# Altium PCB Smart_OBD.PcbDoc
Units mm, origin at the board's own origin, x right, y up, seen from the top; angles counter-clockwise.
Board outline 55.95 x 64.95 mm, 2 copper layers (Top Layer, Bottom Layer); 49 components, 65 nets, 214 pads, 72 vias.
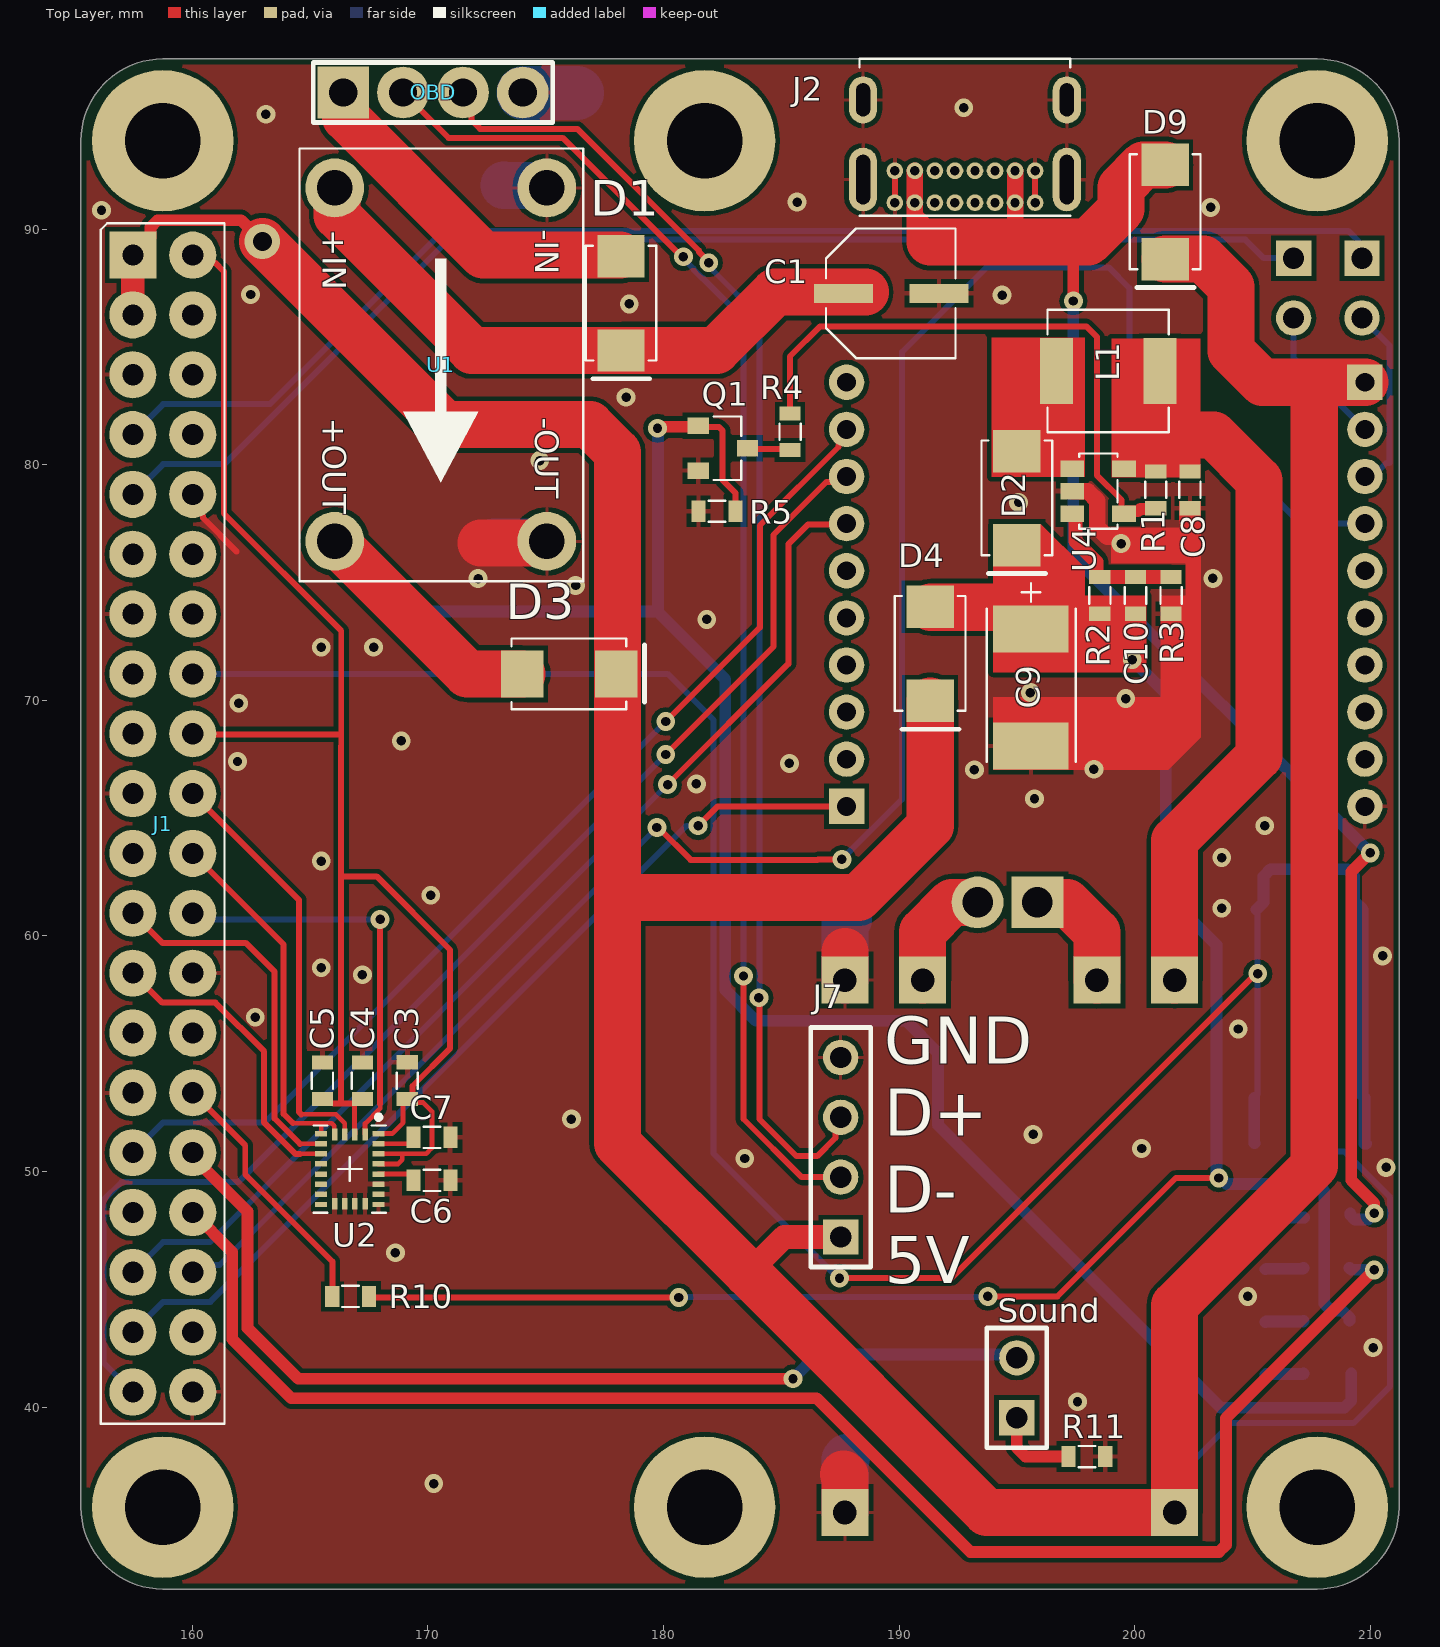
[diagram p0: Top Layer view]
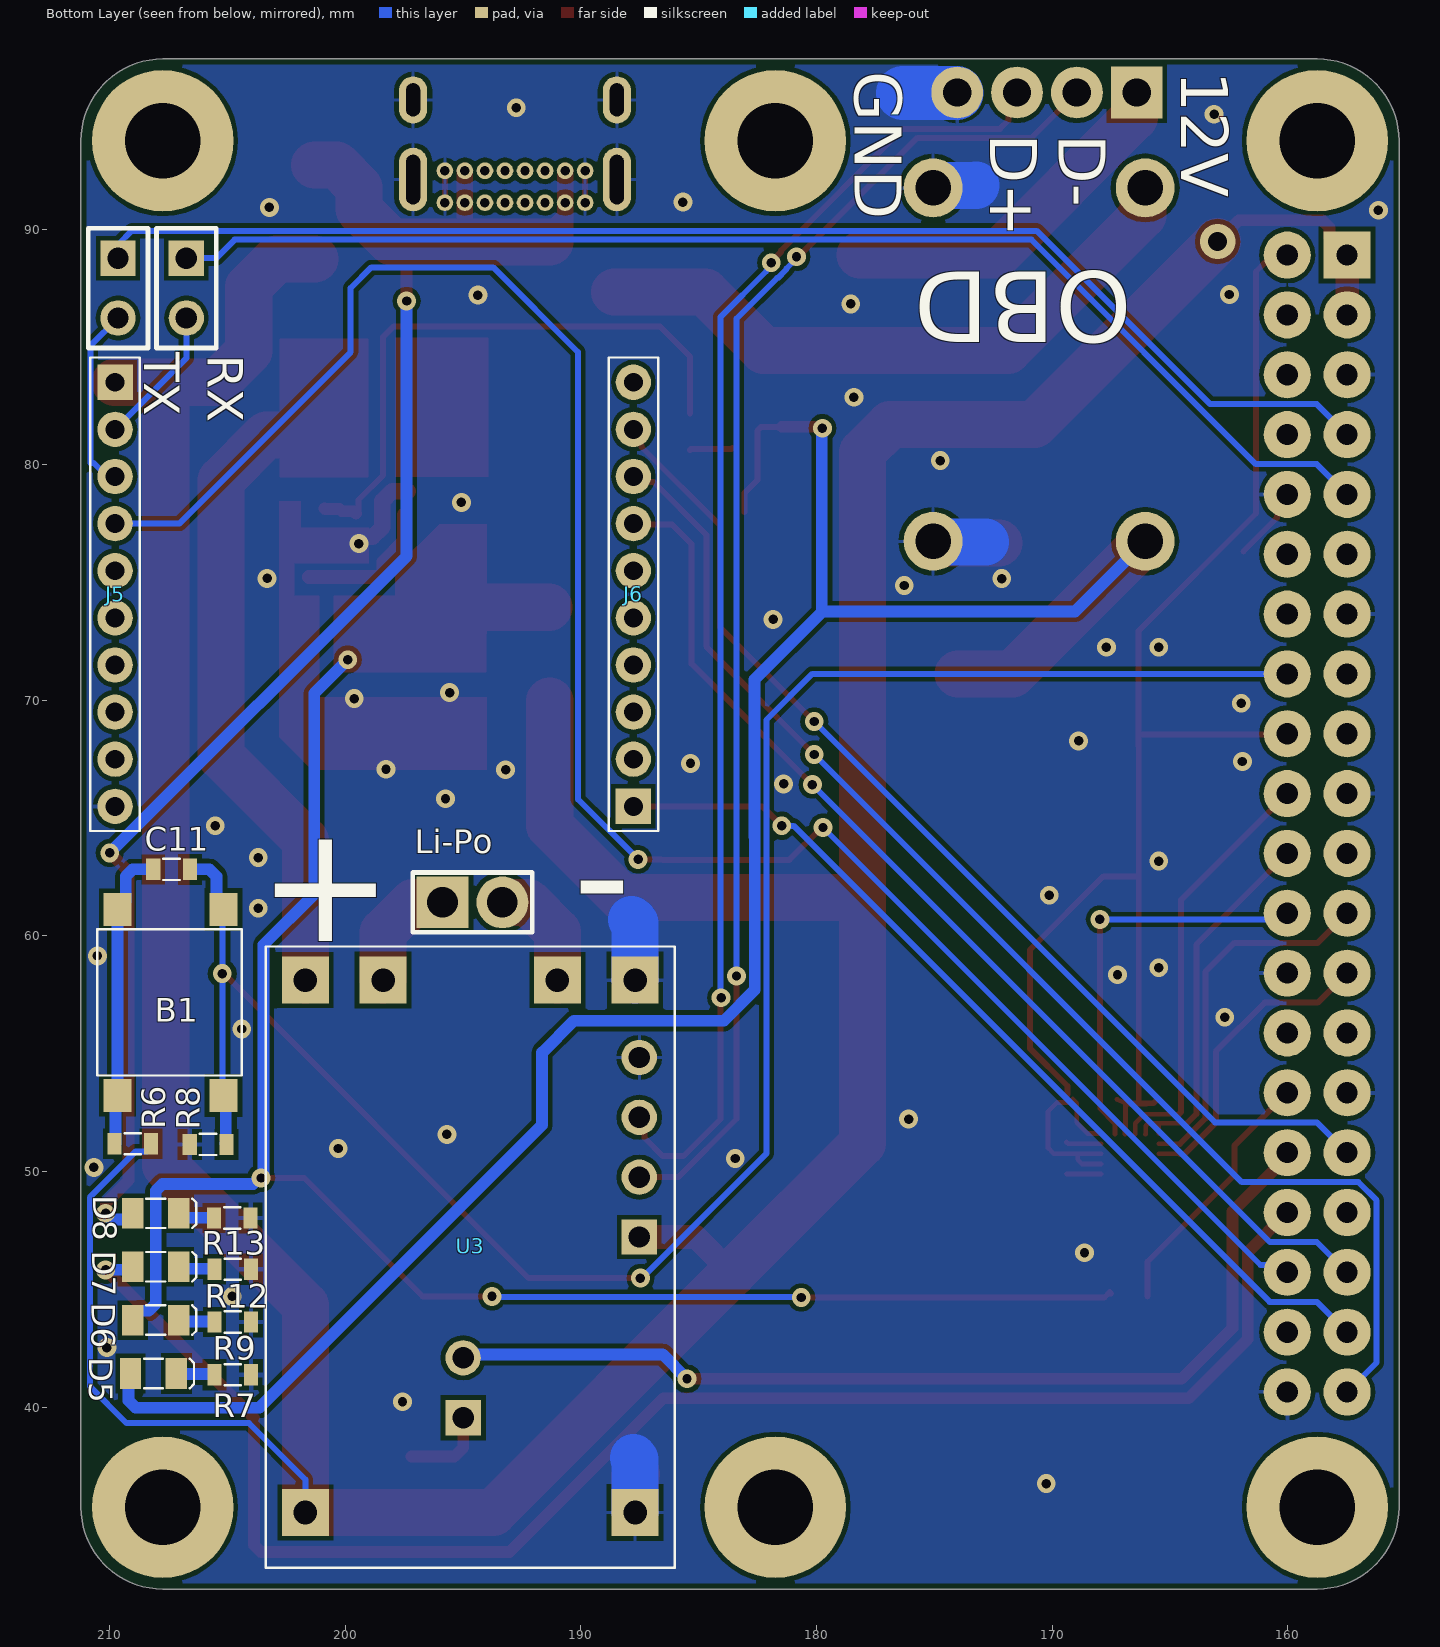
[diagram p1: Bottom Layer view, seen from below]
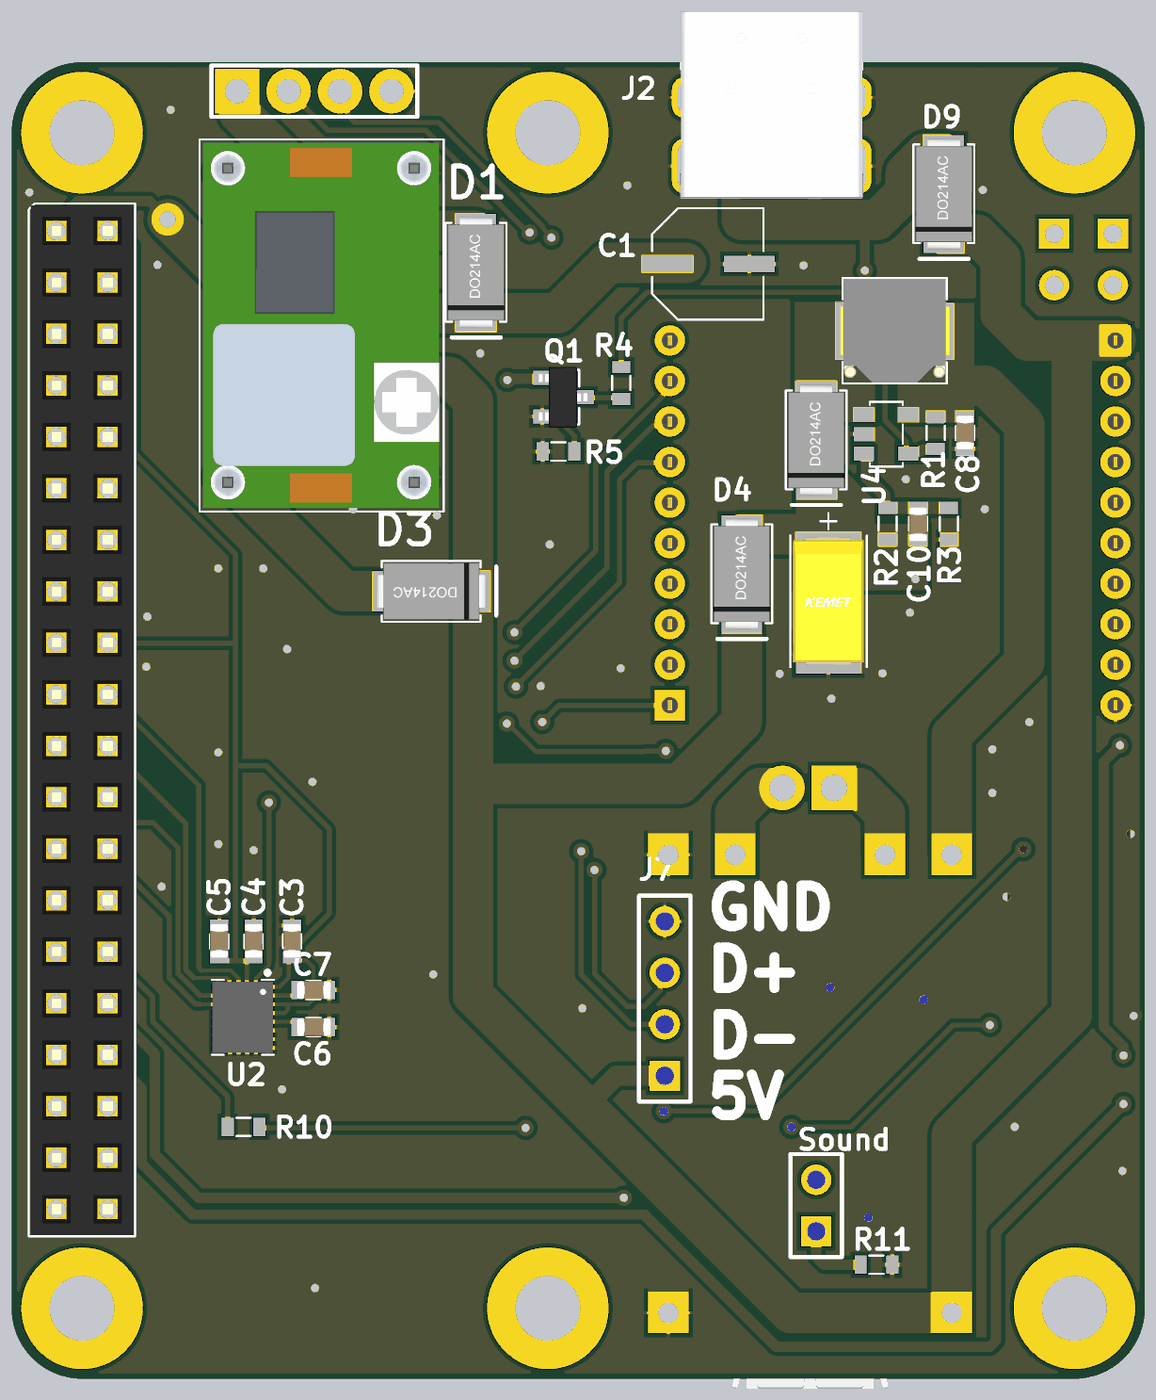
[diagram p2: 3D render of the assembled board from above, using the file's embedded part models]
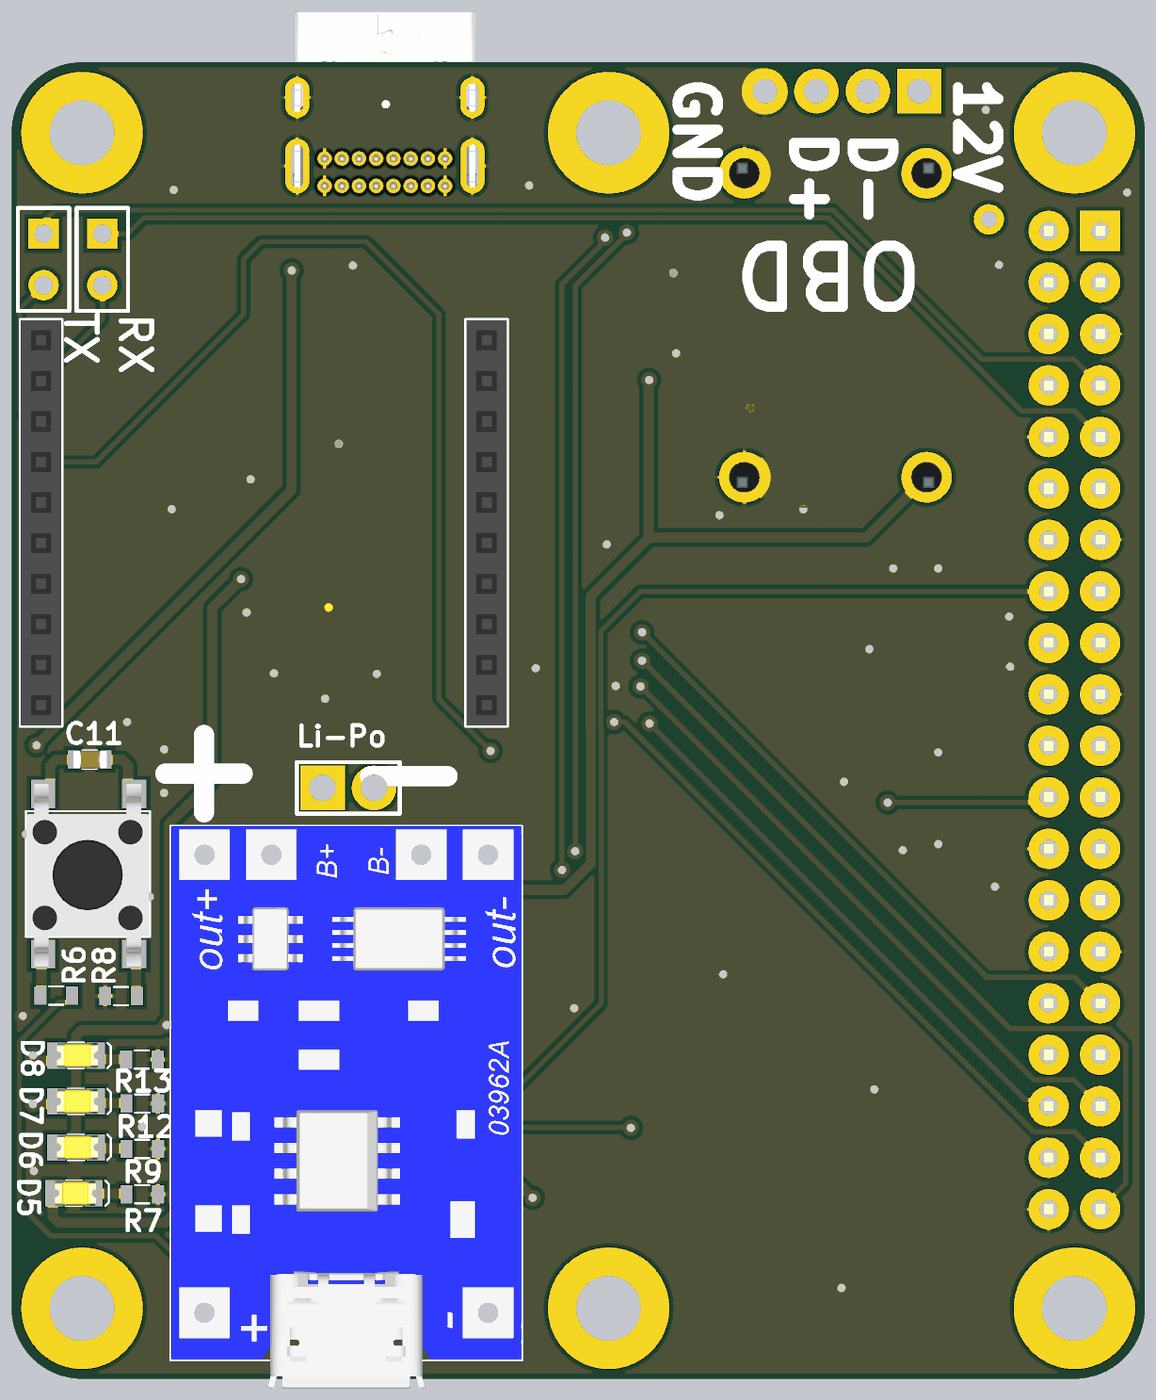
[diagram p3: 3D render of the assembled board from below, using the file's embedded part models]

## Layer stack, top to bottom
Top Solder: solder mask 0.0102, Solder Resist, Dk 3.5
Top Layer: signal copper 0.0356
Dielectric 1: dielectric 0.32, FR-4, Dk 4.8
Bottom Layer: signal copper 0.0356
Bottom Solder: solder mask 0.0102, Solder Resist, Dk 3.5

## Board outline
155.275,35.75 ccw(c158.75,35.75) 158.75,32.275 207.75,32.275 ccw(c207.75,35.75) 211.225,35.75 211.225,93.75 ccw(c207.75,93.75) 207.75,97.225 158.75,97.225 ccw(c158.75,93.75) 155.275,93.75

## Design rules (kind name [scope] priority, off if disabled: settings)
AcuteAngle [All] p1: minimum=3.50000000000000E+0001 checktracksonly=FALSE
BoardOutlineClearance "BoardOutlineClearance 1" [All] p1: gap=0.25 ignorepadtopadclearanceinfootprint=FALSE except(0: Arc-SplitContinuation Track-SplitContinuation SMDPad-SplitContinuation THPad-SplitContinuation Via-SplitContinuation Fill-SplitContinuation Poly-SplitContinuation Region-SplitContinuation Text-SplitContinuation) // Milling
Clearance "Clearance-1 1/2 Oz" [All] p1: gap=0.125 ignorepadtopadclearanceinfootprint=FALSE except(0.2: Arc-Fill Arc-Poly Track-Fill Track-Poly SMDPad-SMDPad SMDPad-Fill SMDPad-Poly THPad-Fill THPad-Poly Via-Fill Via-Poly Fill-Fill Fill-Poly Poly-Poly Poly-Region Poly-Text; 0.25: Arc-Hole Track-Hole SMDPad-Hole THPad-Hole Via-Hole Fill-Hole Poly-Hole Region-Hole Text-Hole) // Standart
ComponentClearance ComponentClearance_DC [InComponent('U1') vs IsComponentBody] p1: gap=-50 collisioncheckmode=3 verticalgap=2540 showdistances=FALSE
ComponentClearance ComponentClearance_3D [IsComponentBody vs IsComponentBody] p2: gap=-50 collisioncheckmode=3 verticalgap=2540 showdistances=FALSE
ComponentClearance ComponentClearance_J4 [InComponent('J4')] p3: gap=-50 collisioncheckmode=3 verticalgap=2540 showdistances=FALSE
ComponentClearance ComponentClearance_J3 [InComponent('J3')] p4: gap=-50 collisioncheckmode=3 verticalgap=2540 showdistances=FALSE
ComponentClearance ComponentClearance_J2 [InComponent('J2')] p5: gap=-50 collisioncheckmode=3 verticalgap=2540 showdistances=FALSE
ComponentClearance ComponentClearance_J1 [InComponent('J1')] p6: gap=-50 collisioncheckmode=3 verticalgap=2540 showdistances=FALSE
ComponentClearance ComponentClearance_J6 [InComponent('J6') vs IsComponentBody] p7: gap=-100 collisioncheckmode=3 verticalgap=2540 showdistances=FALSE
ComponentClearance ComponentClearance_J5 [InComponent('J5') vs IsComponentBody] p8: gap=-50 collisioncheckmode=3 verticalgap=2540 showdistances=FALSE
ComponentClearance [All] p9: gap=0.1 collisioncheckmode=3 verticalgap=0.1 showdistances=FALSE
DiffPairsRouting "DiffPairsRouting 1/2 Oz" [All] p1: maxlimit=0.254 minlimit=0.125 mostfreqgap=0.254 toplayer_minwidth=0.125 toplayer_maxwidth=0.381 toplayer_prefwidth=0.381 bottomlayer_minwidth=0.125 bottomlayer_maxwidth=0.381 bottomlayer_prefwidth=0.381 maxuncoupledlength=12.7
HoleSize "Minimum HoleSize" [IsPad] p1: absolutevalues=TRUE maxlimit=5.9 minlimit=0.4 maxpercent=80.000 minpercent=20.000
HoleSize "Minimum HoleSize VIA 1" [IsVia] p2: absolutevalues=TRUE maxlimit=5.9 minlimit=0.3 maxpercent=80.000 minpercent=20.000 // Standart
HoleToHoleClearance Hole2HoleClearance [All] p1: gap=0.25 allowstackedmicrovias=FALSE
MinimumAnnularRing "Minimum AR VIA Standart" [All] p1: minimumring=0.15
MinimumAnnularRing "Minimum AR PAD Standart" [All] p2: minimumring=0.2
MinimumSolderMaskSliver "SolderMask Bridge Standart" [All] p1: minsoldermaskwidth=0.15 // All Masks
PlaneClearance "PlaneClearance-1 1/2 Oz" [All] p1: clearance=0.2 // Standart
PlaneConnect "TermalConnect-1 1/2 Oz" [All] p1: planeconnectstyle=Relief reliefexpansion=0.2 reliefentries=4 reliefconductorwidth=0.2 reliefairgap=0.2 // Standart
PolygonConnect "PolygonConnect-1 1/2 Oz" [All] p1: thpad.connectstyle=Relief thpad.reliefconductorwidth=0.15 thpad.reliefentries=4 thpad.polygonreliefangle="90 Angle" thpad.airgapwidth=0.2 smdpad.connectstyle=Relief smdpad.reliefconductorwidth=0.2 smdpad.reliefentries=4 smdpad.polygonreliefangle="90 Angle" smdpad.airgapwidth=0.2 via.connectstyle=Direct via.reliefconductorwidth=0.254 via.reliefentries=4 via.polygonreliefangle="90 Angle" via.airgapwidth=0.254 // Standart
RoutingCorners [All] p1 off: cornerstyle=45-Degree minsetback=2.54 maxsetback=2.54
RoutingVias [All] p1: holewidth=0.4 width=0.8 viastyle="Through Hole" minholewidth=0.3 minwidth=0.6 maxholewidth=5.9 maxwidth=8.9
SilkToSilkClearance Silk2SilkClearance [All] p1 off: silktosilkclearance=0.15
SilkToSolderMaskClearance Silk2SolderMaskClearance [IsPad] p1 off: minsilkscreentomaskgap=0.15 clearancetoexposedcopper=TRUE
SolderMaskExpansion SolderMaskExpansion-1 [All] p1: expansion=0.05 istentingtop=FALSE // Standart
UnRoutedNet [All] p1: checkbadconnections=TRUE
Width "Width 1/2 Oz" [All] p1: maxlimit=10 minlimit=0.125 preferedwidth=0.254 checkconnectedcopper=TRUE
19 further rules are at their usual default settings.

## Components (designator, comment, footprint, x,y, rotation, side; value= is the part's Value field where it differs from the comment)
B1 "But" "Button 6x6" 209.675,53.225 r90 bottom
C1 "10uF" "Bar Cap 5x5.4" 191.7,87.275 r270 top
C3 "10uF" "0603 Capicator" 169.125,53.855 r90 top
C4 "0.1uF" "0603 Capicator" 167.225,53.85 r90 top
C5 "0.1uF" "0603 Capicator" 165.525,53.85 r90 top
C6 "10nF" "0603 Capicator" 170.175,49.625 r0 top
C7 "0.1uF" "0603 Capicator" 170.175,51.45 r0 top
C8 "2.2uF" "0603 Capicator" 202.35,78.935 r90 top
C9 "22uF" TANTAL_C_CASE 195.6,71.83 r90 top
C10 "470pF" "0603 Capicator" 200.037,74.455 r270 top
C11 "0.1uF" "0603 Capicator" 207.375,62.825 r180 bottom
D1 "Diode" SMA 178.2,86.85 r270 top
D2 "Diode" SMA 195,78.58 r270 top
D3 "Diode" SMA 176,71.125 r0 top
D4 "Diode" SMA 191.325,71.975 r270 top
D5 "LedG" "0805 LED" 208.15,41.425 r180 bottom
D6 "LedR" "0805 LED" 208.05,43.692 r180 bottom
D7 "LedY" "0805 LED" 208.05,45.958 r180 bottom
D8 "LedG" "0805 LED" 208.05,48.225 r180 bottom
D9 "Diode" SMA 201.3,90.725 r270 top
J1 "Conn2x20" "PBD 2x20" 160.02,88.9 r270 top locked
J2 "USB" "USB Type-C" 192.8,95.15 r180 top
J5 "Conn1x10" "PBS2 10" 209.775,83.5 r270 bottom
J6 "Conn1x10" "PBS2 10" 187.775,65.5 r90 bottom
J7 "Header 4" HDR1X4#1 187.525,47.22 r90 top
L1 "6.8uH" "Inductor 5.4x5.1" 198.875,83.98 r180 top
Li-Po "Header 2" HDR1X2#1 195.875,61.425 r180 bottom
OBD "Header 4" HDR1X4#2 166.41,95.8 r0 top
Q1 "MOSFET-N" SOT-23 181.475,81.65 r270 top
R1 "51k" "0603 Resistor" 200.9,78.935 r90 top
R2 "43k" "0603 Resistor" 198.525,74.455 r270 top
R3 "15k" "0603 Resistor" 201.55,74.455 r270 top
R4 "1k" "0603 Resistor" 185.375,81.4 r90 top
R5 "10k" "0603 Resistor" 182.275,78.025 r0 top
R6 "1k" "0603 Resistor" 209.025,51.175 r0 bottom
R7 "510R" "0603 Resistor" 204.78,41.375 r180 bottom
R8 "10k" "0603 Resistor" 205.825,51.15 r180 bottom
R9 "510R" "0603 Resistor" 204.78,43.612 r180 bottom
R10 "1k" "0603 Resistor" 166.725,44.7 r0 top
R11 "200R" "0603 Resistor" 197.975,37.9 r180 top
R12 "510R" "0603 Resistor" 204.78,45.85 r180 bottom
R13 "510R" "0603 Resistor" 204.8,48.025 r180 bottom
RX "Header" HDR1X2#2 206.75,88.765 r270 bottom (schematic designator Use_Uart_RX)
Sound "Header 3" HDR1X2#2 195,39.55 r90 top
TX "Header" HDR1X2#2 209.65,88.765 r270 bottom (schematic designator Use_Uart_TX)
U1 "DC/DC" DC-DC 170.55,84.25 r270 top
U2 "MEMs" "LGA 3.5x3x1 mm 24-lead" 166.69,50.105 r270 top
U3 "Charger" PW829 187.7,35.525 r0 bottom
U4 "DC/DC" SOT-23-5 197.35,78.875 r270 top

## Footprints (in the part's own frame and the unit in brackets; to place one, negate y for a bottom-side part, rotate by r counter-clockwise, add the part's x,y. Pads: shape width x height; smd on the part's side, far side on the other; paste and mask are expansions set on the pad)
"0603 Capicator" [mm]
  rect 0.6x0.9 smd: 1(-0.78,0) 2(0.78,0)
  silkscreen extent -0.35,-0.45 0.35,0.45, body extent -0.82,-0.45 0.88,0.45, height 0.9
"0603 Resistor" [mm]
  rect 0.6x0.9 smd: 1(-0.78,0) 2(0.78,0)
  silkscreen extent -0.35,-0.45 0.35,0.45, body extent -0.85,-0.45 0.85,0.45, height 0.55
"0805 LED" [mm]
  rect 0.9x1.3 smd: 1(-0.975,0) 2(0.975,0)
  silkscreen extent -0.4,-0.63 1.73,0.63, body extent -0.93,-0.62 1.09,0.63, height 1.1
"Bar Cap 5x5.4" [mm]
  rect 0.8x2.5 smd: 1(0,0) 2(0,-4.05)
  silkscreen extent -2.75,-4.8 2.75,0.7, body extent -2.65,-4.95 2.65,0.85, height 5.8
"Button 6x6" [mm]
  rect 1.4x1.2 smd: 1(0,0) 2(7.9,0) 3(0,-4.5) 4(7.9,-4.5)
  silkscreen extent 0.85,-5.28 7.05,0.85, body extent -0.61,-5.22 8.41,0.82, height 4.3
DC-DC [mm]
  round 2.5 / inner round 1.524 / far side round 2.5 hole 1.5: 1(-7.5,4.5) 2(-7.5,-4.5) 3(7.5,4.5) 4(7.5,-4.5)
  silkscreen extent -9.18,-6 9.2,6.05, body extent -9,-5.82 9,5.83, height 7.3
HDR1X2#1 [mm] "Connector; Header; 2 Position"
  rect 2.2x2.2 hole 1.3: 1(0,0)
  round 2.2 hole 1.3: 2(2.54,0)
  silkscreen extent -1.27,-1.27 3.81,1.27
HDR1X2#2 [mm] "Connector; Header; 2 Position"
  rect 1.5x1.5 hole 0.9: 1(0,0)
  round 1.5 hole 0.9: 2(2.54,0)
  silkscreen extent -1.27,-1.27 3.81,1.27
HDR1X4#1 [mm] "Connector; Header; 4 Position"
  rect 1.5x1.5 hole 0.9: 1(0,0)
  round 1.5 hole 0.9: 2(2.54,0) 3(5.08,0) 4(7.62,0)
  silkscreen extent -1.27,-1.27 8.89,1.27
HDR1X4#2 [mm] "Connector; Header; 4 Position"
  rect 2.2x2.2 hole 1.2: 1(0,0)
  round 2.2 hole 1.2: 2(2.54,0) 3(5.08,0) 4(7.62,0)
  silkscreen extent -1.27,-1.27 8.89,1.27
"Inductor 5.4x5.1" [mm]
  rect 1.4x2.8 smd: 1(-2.2,0) 2(2.2,0)
  silkscreen extent -2.58,-2.6 2.58,2.6, body extent -2.7,-2.55 2.7,2.55, height 2
"LGA 3.5x3x1 mm 24-lead" [mm]
  rect 0.23x0.5 smd mask+0.108: 1(-1.505,1.22) 6(-1.505,-1.22) 7(-1.075,-1.22) 8(-0.645,-1.22) 9(-0.215,-1.22) 10(0.215,-1.22) 11(0.645,-1.22) 12(1.075,-1.22) 13(1.505,-1.22) 18(1.505,1.22) 19(1.075,1.22) 20(0.645,1.22) 21(0.215,1.22) 22(-0.215,1.22) 23(-0.645,1.22) 24(-1.075,1.22)
  rect 0.5x0.23 smd mask+0.108: 2(-1.47,0.645) 3(-1.47,0.215) 4(-1.47,-0.215) 5(-1.47,-0.645) 14(1.47,-0.645) 15(1.47,-0.215) 16(1.47,0.215) 17(1.47,0.645)
  silkscreen extent -2.3,-1.53 1.85,1.53, body extent -1.75,-1.5 1.75,1.5, height 1
"PBD 2x20" [mm]
  rect 2x2 hole 0.9: 1(0,-2.54)
  round 2 hole 0.9: 2(0,0) 3(2.54,-2.54) 4(2.54,0) 5(5.08,-2.54) 6(5.08,0) 7(7.62,-2.54) 8(7.62,0) 9(10.16,-2.54) 10(10.16,0) 11(12.7,-2.54) 12(12.7,0) 13(15.24,-2.54) 14(15.24,0) 15(17.78,-2.54) 16(17.78,0) 17(20.32,-2.54) 18(20.32,0) 19(22.86,-2.54) 20(22.86,0) 21(25.4,-2.54) 22(25.4,0) 23(27.94,-2.54) 24(27.94,0) 25(30.48,-2.54) 26(30.48,0) 27(33.02,-2.54) 28(33.02,0) 29(35.56,-2.54) 30(35.56,0) 31(38.1,-2.54) 32(38.1,0) 33(40.64,-2.54) 34(40.64,0) 35(43.18,-2.54) 36(43.18,0) 37(45.72,-2.54) 38(45.72,0) 39(48.26,-2.54) 40(48.26,0)
  silkscreen extent -1.35,-3.9 49.6,1.35, body extent -1.27,-3.81 49.53,1.27, height 8.4
"PBS2 10" [mm]
  rect 1.5x1.5 hole 0.8: 1(0,0)
  round 1.5 hole 0.8: 2(2,0) 3(4,0) 4(6,0) 5(8,0) 6(10,0) 7(12,0) 8(14,0) 9(16,0) 10(18,0)
  silkscreen extent -1.05,-1.05 19.05,1.05, body extent -1,-1 19,1, height 4.5
PW829 [mm]
  rect 2x2 hole 1: B+(10.7,-22.6) B-(3.3,-22.6) IN+(14,0) IN-(0,0) OUT+(14,-22.6) OUT-(0,-22.6)
  silkscreen extent -1.68,-24.02 15.68,2.35, body extent -1.65,-24 15.65,3.75, height 3.87
SMA [mm]
  rect 1.8x2 smd: 1(-2,0) 2(2,0)
  silkscreen extent -2.45,-1.5 3.2,1.5, body extent -2.74,-1.4 2.74,1.4, height 2.29
SOT-23 [mm]
  rect 0.7x0.9 smd: 1(0,0) 2(1.9,0) 3(0.95,2.1)
  silkscreen extent -0.4,0.65 2.3,1.83, body extent -0.55,-0.17 2.45,2.23, height 1.1
SOT-23-5 [mm]
  rect 0.7x1 smd mask+0.045: 1(-0.95,0) 2(0,0) 3(0.95,0) 4(0.95,2.2) 5(-0.95,2.2)
  silkscreen extent -1.6,0.3 1.6,1.92, body extent -1.5,-0.15 1.5,2.35, height 1.1
TANTAL_C_CASE [mm]
  rect 2x3.2 smd: 1(-3.775,0) 2(1.2,0)
  silkscreen extent -4.45,-1.9 3.15,1.88, body extent -4.35,-1.75 1.95,1.75, height 2.81
"USB Type-C" [mm]
  oval 1.2x2.7 hole 0.6 slot 2.1 at 90 deg: A(-4.325,3.045) A(4.325,3.045)
  oval 1.2x2 hole 0.6 slot 1.4 at 90 deg: A(-4.325,-0.335) A(4.325,-0.335)
  round 0.71 hole 0.4 mask+0.15: A1(-2.975,4.025) A4(-2.125,4.025) A5(-1.275,4.025) A6(-0.425,4.025) A7(0.425,4.025) A8(1.275,4.025) A9(2.125,4.025) A12(2.975,4.025) B1(2.975,2.675) B4(2.125,2.675) B5(1.275,2.675) B6(0.425,2.675) B7(-0.425,2.675) B8(-1.275,2.675) B9(-2.125,2.675) B12(-2.975,2.675)
  silkscreen extent -4.47,-2.07 4.47,4.58, body extent -4.51,-4.56 4.52,4.61, height 3.46

## Part data
B1: library part "Button 4 Conn", "Button 4 Conn SMD", Manufacturer="TE Connectivity", Part Number=1571563-9, ComponentLink1Description=Chip&Dip, ComponentLink1URL=https://www.chipdip.ru/product/tyco-1571563-9-fsm8jsmatr, Type=Button
C1: library part "Cap Pol 10uF", "ECAP SMD,  35V", Manufacturer=China, Part Number=ECAPSMD10uF/35V, ComponentLink1Description=Chip&Dip, ComponentLink1URL=https://www.chipdip.ru/product0/884555856, Type=Capacitor
C3: library part "Cap 10uF (0603)", "10uF X5R 25V 20% 0603", Manufacturer="Murata Manufacturing", Part Number=GRM188R61E106M, ComponentLink1Description=Chip&Dip, ComponentLink1URL=https://www.chipdip.ru/product/grm188r61e106m, Type=Capacitor
C4 C5 C7 C11: library part "Cap 0.1uF (0603)", "0.1uF X7R 50V 10% 0603", Manufacturer="Murata Manufacturing", Part Number=GRM188R71H104KA93D, ComponentLink1Description=Chip&Dip, ComponentLink1URL=https://www.chipdip.ru/product/grm188r71h104k, Type=Capacitor
C6: library part "Cap 10nF (0603)", "X7R 10nF 100V 10% 0603", Manufacturer="Murata Manufacturing", Part Number=GRM188R72A103KA01D, ComponentLink1Description=Chip&Dip, ComponentLink1URL=https://www.chipdip.ru/product/grm188r72a103ka01d, Type=Capacitor
C8: library part "Cap 2.2uF (0603)", "2.2uF X5R 10V 10% 0603", Manufacturer="Murata Manufacturing", Part Number=GRM188R61A225KE34D, ComponentLink1Description=Chip&Dip, ComponentLink1URL=https://www.chipdip.ru/product/grm188r61a225k, Type=Capacitor
C9: library part "Cap Tantal 22uF (SMDC)", "TECAP, 22uF, 16V, case C, 10%", Manufacturer=China, Part Number=TECAP22/16VC10, ComponentLink1Description=Chip&Dip, ComponentLink1URL=https://www.chipdip.ru/product0/527359843, Type=Capacitor
C10: library part "Cap 470pF (0603)", "470pF NP0 50V 5% 0603", Manufacturer=Taiwan, Part Number=MLCC470pFNPO50V5%0603, ComponentLink1Description=Chip&Dip, ComponentLink1URL=https://www.chipdip.ru/product0/515359566, Type=Capacitor
D1 D2 D3 D4 D9: library part "Diode Schottky (SMA)", "Diode Schottky 3A 40V", Manufacturer=Vishay, Part Number=B340A-E3/61T, ComponentLink1Description=DataSheet, ComponentLink1URL=https://static.chipdip.ru/lib/652/DOC001652710.pdf, ComponentLink2Description=Chip&Dip, ComponentLink2URL=https://www.chipdip.ru/product/b340a-e3-61t-2, Type=Diode
D5 D8: library part "Led Green", "Led Green SMD 1608, 120°, 525nM", Manufacturer="Taiwan Oasis Technology", Part Number=TO-1608BC-PG, ComponentLink1Description=Chip&Dip, ComponentLink1URL=https://www.chipdip.ru/product/to-1608bc-pg, Type=Diode
D6: library part "Led Red", "SMD 1608, 112mcd, 120°, 630nM (Ultra Bright Red)", Manufacturer="Taiwan Oasis Technology", Part Number=TO-1608BC-MRE, ComponentLink1Description=Chip&Dip, ComponentLink1URL=https://www.chipdip.ru/product/to-1608bc-mre, Type=Diode
D7: library part "Led Yellow", "SMD 1608, 247mcd, 120°, 592nM (High Bright Yellow)", Manufacturer="Taiwan Oasis Technology", Part Number=TO-1608BC-MYF, ComponentLink1Description=Chip&Dip, ComponentLink1URL=https://www.chipdip.ru/product/to-1608bc-myf, Type=Diode
J1: library part "Conn2x20 (PBD)", "Female for PLD", Manufacturer="Ningbo connfly electronic", Part Number=DS1023-2*20S21, ComponentLink1Description=Chip&Dip, ComponentLink1URL=https://www.chipdip.ru/product/pbd-40, Type=Connector
J2: library part "Connector USB 2.0 Type-C", Manufacturer="Global Connector Technology", Part Number=USB4085-GF-A, ComponentLink1Description=Chip&Dip, ComponentLink1URL=https://www.chipdip.ru/product/usb4085-gf-a, ComponentLink2Description=DataSheet, ComponentLink2URL=https://www.farnell.com/cad/2648880.pdf, Type=Connector
J5 J6: library part "Conn1x10 (PBS2)", "Female", Manufacturer="Ningbo connfly electronic", Part Number=DS1026-01-1*10S8BV, ComponentLink1Description=Chip&Dip, ComponentLink1URL=https://www.chipdip.ru/product/pbs2-10, Type=Connector
J7 OBD: "Header, 4-Pin", LatestRevisionDate=17-Jul-2002, LatestRevisionNote="Re-released for DXP Platform.", Publisher="Altium Limited"
L1: library part "Inductor 6.8uH (4.2A)", "6.8uH, 5.4x5.1x2, 4.2A", Manufacturer=TDK, Part Number=SPM5020T-3R3M-LR, ComponentLink1Description=DataSheet, ComponentLink1URL=https://static.chipdip.ru/lib/015/DOC004015227.pdf, ComponentLink2Description=Chip&Dip, ComponentLink2URL=SPM5020T-6R8M-LR, Type=Inductor
Li-Po: "Header, 2-Pin", LatestRevisionDate=17-Jul-2002, LatestRevisionNote="Re-released for DXP Platform.", Publisher="Altium Limited"
Q1: library part "MOSFET-N [FDV]", "These N-Channel enhancement mode field effect transistors areproduced  using  Fairchild's  proprietary,  high  cell  density,  DMOStechnology.", Manufacturer="Fairchild Semiconductor", Part Number=FDV303N, ComponentLink1Description=DataSheet, ComponentLink1URL=https://static.chipdip.ru/lib/009/DOC001009115.pdf, ComponentLink2Description=Chip&Dip, ComponentLink2URL=https://www.chipdip.ru/product/fdv303n, Type=Transistor
R1: library part "Res 51k (0603)", "0.1W 0603 51k, 1%", Manufacturer=Taiwan, Part Number=RC0603FR-0751KL, ComponentLink1Description=Chip&Dip, ComponentLink1URL=https://www.chipdip.ru/product0/9000079753, Type=Resistor
R2: library part "Res 43k (0603)", "0.1W 0603 43k, 1%", Manufacturer=Taiwan, Part Number=RC0603FR-0743KL, ComponentLink1Description=Chip&Dip, ComponentLink1URL=https://www.chipdip.ru/product0/9000079751, Type=Resistor
R3: library part "Res 15k (0603)", "0.1W 0603 15k, 1%", Manufacturer=Taiwan, Part Number=RC0603FR-0715KL, ComponentLink1Description=Chip&Dip, ComponentLink1URL=https://www.chipdip.ru/product0/9000079740, Type=Resistor
R4 R6 R10: library part "Res 1k (0603)", "0.1W 0603 1k, 1%", Manufacturer=Taiwan, Part Number=RC0603FR-071KL, ComponentLink1Description=Chip&Dip, ComponentLink1URL=https://www.chipdip.ru/product0/9000079676, Type=Resistor
R5 R8: library part "Res 10k (0603)", "0.1W 0603 10k, 1%", Manufacturer=Taiwan, Part Number=RC0603FR-0710KL, ComponentLink1Description=Chip&Dip, ComponentLink1URL=https://www.chipdip.ru/product0/9000079736, Type=Resistor
R7 R9 R12 R13: library part "Res 510R (0603)", "0.1W 0603 510R, 1%", Manufacturer=Taiwan, Part Number=RC0603FR-07510RL, ComponentLink1Description=Chip&Dip, ComponentLink1URL=https://www.chipdip.ru/product0/9000079669, Type=Resistor
R11: library part "Res 200R (0603)", "0.1W 0603 200R, 1%", Manufacturer=Taiwan, Part Number=RC0603FR-07200RL, ComponentLink1Description=Chip&Dip, ComponentLink1URL=https://www.chipdip.ru/product0/9000079623, Type=Resistor
RX Sound TX: library part "Header 2", "Header, 2-Pin", LatestRevisionDate=17-Jul-2002, LatestRevisionNote="Re-released for DXP Platform.", Publisher="Altium Limited"
U1: "DC/DC 5V with MP2307 Chip"
U2: library part "MEMs 9 Axis", "System-in-package featuring a 3D digital linear acceleration sensor, a 3D digital angular rate sensor, and a 3D digital magnetic sensor", Manufacturer=STMicroelectronics, Part Number=LSM9DS1TR, ComponentLink1Description=DataSheet, ComponentLink1URL=https://static.chipdip.ru/lib/427/DOC004427868.pdf, ComponentLink2Description=Chip&Dip, ComponentLink2URL=https://www.chipdip.ru/product/lsm9ds1tr, Type=IC
U3: library part "Charger [PW829]", "Charger for Li-Ion", Manufacturer="Master Kit", Part Number=PW829, ComponentLink2Description=Chip&Dip, ComponentLink2URL=https://www.chipdip.ru/product0/8002091037, Type=IC
U4: library part "DC/DC Controller [LM2731]", "The  LM2731  switching  regulators  are  current-mode  boostconverters  operating  at  fixed  frequencies  of  1.6  MHz  (“X”option) and 600 kHz (“Y” option).", Manufacturer="Texas Instruments", Part Number=LM2731YMF/NOPB, ComponentLink1Description=Chip&Dip, ComponentLink1URL=https://www.chipdip.ru/product/lm2731ymf-nopb, ComponentLink2Description=DataSheet, ComponentLink2URL=https://static.chipdip.ru/lib/491/DOC000491907.pdf, Type=IC

## Free pads (board coordinates)
  round 6 hole 3.2: A(158.75,35.75) A(158.75,93.75) A(181.75,35.75) A(181.75,93.75) A(207.75,35.75) A(207.75,93.75)

## Via types
v1: diameter 0.8, hole 0.4, Top Layer to Bottom Layer, tented both sides, 71 vias
v2: diameter 1.5, hole 0.8, Top Layer to Bottom Layer, 1 vias

## Nets (pads, with @x,y where several pads share a name; then routed paths per layer and width w, separated by ;. In a path a pad name is that pad's centre, name@x,y a point inside that pad or via, vN(x,y) a via of type N, cw(c..) or ccw(c..) an arc to the next point about the centre after c; other vN are vias at no path point)
+3.3V: C3.1 C4.1 C5.1 J1.2 J1.18 U2.1 U2.3 U2.22 U2.23 | length 69.8
  Top Layer w0.2: U2.3 166.905,51.71 166.89,51.725 166.89,51.814 166.888,51.816 166.888,52.895 167.231,53.057 167.26,53.07 C4.1 ; U2.22 168.745,50.32 168.917,50.492 168.917,50.75 ; U2.23 168.917,50.75 ; U2.1 168.487,51.61 168.95,52.073 168.95,52.9 C3.1 ; C3.1@169.325,52.925 169.8,52.925 170.175,52.55 170.175,51 169.925,50.75 168.917,50.75
  Top Layer w0.254: J1.18 160.045,68.555 166.321,68.555 ; J1.2 160.354,88.566 160.979,88.566 161.345,88.2 161.345,77.93 166.325,72.95 166.325,68.058 ; C5.1 165.698,52.897 165.995,52.897 165.997,52.895 166.38,52.895 ; 166.324,68.058 166.324,62.525 ; C4.1@166.888,52.895 166.38,52.895 ; C3.1@169.35,53.275 169.35,53.63 170.95,55.23 170.95,59.4 167.825,62.525 166.324,62.525 ; 166.324,62.525 166.324,52.951 166.38,52.895
+5V: D3.2 D4.2 D9.2 J1.1 J1.3 J5.1 J7.1 R6.1 U3.IN+ | length 198.3
  Top Layer w0.5: J1.1 158.23,89.65 158.23,90.08 158.525,90.375 162.075,90.375 v2(162.975,89.475)
  Top Layer w1: J1.3 J1.1 ; 183.575,45.675 185.12,47.22 J7.1
  Top Layer w2: v2(162.975,89.475) 170.75,81.7 176.878,81.7 178.05,80.528 178.05,61.625 ; D4.2 191.325,64.675 188.275,61.625 178.05,61.625 ; D9.2 202.928,88.725 204.1,87.553 204.1,84.825 205.425,83.5 207.625,83.5 ; J5.1 207.625,83.5 ; 178.05,61.625 178.05,51.2 183.575,45.675 193.725,35.525 U3.IN+ 201.7,44.325 207.625,50.25 207.625,83.5
  Bottom Layer w0.254: U3.IN+ 201.7,36.925 204.1,39.325 209.295,39.325 210.848,40.878 210.848,48.902 208.898,50.852 208.418,50.852 208.341,50.929 R6.1@208.341,51.059
+12V: D1.1 OBD.1 | length 15.2
  Top Layer w2: OBD.1 166.51,95.7 166.51,94.74 172.35,88.9 D1.1@178.15,88.9
+V_Bat: C8.2 L1.1 R1.2 U3.OUT+ U4.5 | length 28.5
  Top Layer w2: 200.913,82.402 200.913,82.153 201.8,81.265 203.349,81.265 205.275,79.339 205.275,67.625 201.7,64.05 U3.OUT+
AD0/DIO0/CMSN: J6.10
AD1/DIO1: J1.31 J6.9 | length 45.8
  Top Layer w0.254: v1(180.1,69.1) 184.1,73.1 184.1,77.425 187.429,80.754 187.429,80.817 187.775,81.163 J6.9
  Bottom Layer w0.254: J1.31 158.768,52.088 163.088,52.088 v1(180.1,69.1)
AD2/DIO2: J1.39 J6.8 | length 55.7
  Top Layer w0.254: v1(180.1,67.7) 184.675,72.275 184.675,77.025 186.917,79.267 187.542,79.267 J6.8
  Bottom Layer w0.254: J1.39 156.228,41.892 156.228,48.779 156.997,49.548 161.948,49.548 v1(180.1,67.7)
AD3/DIO3: J1.35 J6.7 | length 46.4
  Top Layer w0.254: v1(180.175,66.425) 185.3,71.55 185.3,76.625 186.143,77.468 187.743,77.468 J6.7
  Bottom Layer w0.254: J1.35 158.768,47.008 160.758,47.008 v1(180.175,66.425)
ASC/DIO5: J6.5
CTS/DIO7: J6.2
DIN/CONFIG: J5.3 TX.2 | length 7.9
  Bottom Layer w0.254: TX.2 210.825,85.05 210.825,80.075 210.687,80.075 210.112,79.5 J5.3
DIO12/SPI_MISO: J1.36 J5.4 | length 85.8
  Top Layer w0.254: v1(179.725,64.6) 179.779,64.6 181.154,63.225 186.547,63.225 186.572,63.25 v1(187.575,63.25)
  Bottom Layer w0.254: J1.36 160.33,46.03 161.155,46.03 v1(179.725,64.6) ; v1(187.575,63.25) 190.125,65.8 190.125,84.775 193.725,88.375 198.9,88.375 199.775,87.5 199.775,84.775 207.05,77.5 J5.4
DIO14: J1.37 J6.1 | length 39.5
  Top Layer w0.254: v1(181.475,64.675) 182.3,65.5 J6.1
  Bottom Layer w0.254: J1.37 158.768,44.468 160.768,44.468 180.975,64.675 v1(181.475,64.675)
DOUT: J5.2 RX.2 | length 6
  Bottom Layer w0.254: RX.2 206.75,84.525 J5.2
DTR/SLEEP_RQ/DIO8: J5.9
GND: C1.1 C3.2 C4.2 C5.2 C6.2 C7.2 C8.1 C9.1 J1.5 J1.10 J1.13 J1.19 J1.26 J1.29 J1.33 J1.40 J2.A J2.A1 J2.A12 J2.B1 J2.B12 J5.10 J7.4 OBD.4 Q1.2 R3.2 R5.1 R7.2 R8.1 R9.2 R11.1 R12.2 R13.2 U1.1 U1.3 U2.14 U2.15 U2.16 U2.17 U2.18 U2.19 U2.20 U3.IN- U3.OUT- U4.2 | length 26.8
  Top Layer w0.254: J1.10 160.02,78.268 160.463,77.825 160.463,77.737 161.875,76.325 ; J2.A12 J2.B1 ; J2.A1 J2.B12
  Top Layer w0.7: U4.2 198.015,78.875 198.425,78.465 198.425,77.35 198.835,76.94 199.348,76.94 199.525,76.763 v1@199.525,76.625
  Top Layer w2: 172.25,76.675 174.975,76.675 U1.3 ; 187.65,37.15 187.7,37.1 U3.IN- ; U3.OUT- 187.7,59.325
  Bottom Layer w2: 172.825,76.725 175.025,76.725 U1.3 ; 173.24,91.86 173.254,91.846 174.954,91.846 U1.1 ; OBD.4 OBD.4@174.055,95.775 ; U3.IN- 187.7,37.775 187.775,37.85 ; U3.OUT- 187.7,60.55 187.85,60.7
  Bottom Layer w2.3: OBD.4@174.055,95.775 176.325,95.775
  other v1: 170.25,36.75 197.575,40.225 210.125,42.525 204.8,44.7 168.625,46.55 210.675,50.175 183.45,50.55 200.3,50.975 195.689,51.576 176.094,52.223 204.4,56.05 162.675,56.55 167.225,58.35 165.475,58.65 210.525,59.15 203.7,61.175 170.125,61.725 165.475,63.175 203.7,63.325 205.525,64.675 195.75,65.825 181.4,66.45 193.2,67.05 198.275,67.075 185.35,67.325 161.922,67.403 168.875,68.275 161.975,69.875 199.625,70.075 195.575,70.325 165.475,72.25 167.7,72.25 181.842,73.436 176.275,74.875 172.137,75.165 203.325,75.175 199.425,76.65 195.075,78.4 174.75,80.175 178.414,82.863 178.55,86.825 194.375,87.2 162.475,87.225 156.15,90.8 203.225,90.925 185.675,91.15 163.125,94.875 192.75,95.15
"GPIO0 (ID_SD)": J1.28
"GPIO1 (ID_SD)": J1.27
"GPIO2 (SDA)": J1.4
"GPIO3 (SCL)": J1.6
"GPIO4 (GPCLK0)": J1.8
GPIO5: J1.30 R10.1 | length 11.1
  Top Layer w0.254: J1.30 162.25,51.11 162.25,49.875 165.945,46.18 R10.1
GPIO6: J1.32 Sound.2 | length 42.4
  Top Layer w0.5: J1.32 160.02,50.63 162.35,48.3 162.35,43.35 164.5,41.2 v1(185.5,41.2)
  Bottom Layer w0.5: v1(185.5,41.2) 186.536,42.236 194.854,42.236 Sound.2
"GPIO7 (CE1_N)": J1.25 U2.8 | length 12.9
  Top Layer w0.2: 164.575,50.75 U2.8
  Top Layer w0.254: J1.25 158.732,57.168 160.982,57.168 163.05,55.1 163.05,52.075 164.375,50.75 164.575,50.75
"GPIO8 (CE0_N)": J1.23 U2.7 | length 15.7
  Top Layer w0.2: 164.575,51.175 164.58,51.18 U2.7
  Top Layer w0.254: J1.23 158.732,59.708 162.267,59.708 163.496,58.479 163.496,52.293 163.5,52.289 163.5,52.25 164.575,51.175
"GPIO9 (MISO)": J1.22 U2.5 U2.6 | length 15.8
  Top Layer w0.2: 164.275,52.05 165.452,52.05 ; U2.6 165.47,52.032 165.452,52.05 ; U2.5 166.03,51.59 166.03,51.933 165.913,52.05 165.452,52.05
  Top Layer w0.254: J1.22 163.875,59.645 163.875,52.45 164.275,52.05
"GPIO10 (MOSI)": J1.20 U2.4 | length 18
  Top Layer w0.2: 164.627,52.425 166.1,52.425 166.475,52.05 U2.4
  Top Layer w0.254: J1.20 164.527,61.533 164.527,52.525 164.627,52.425
"GPIO11 (SCLK)": J1.24 U2.2 | length 17.5
  Top Layer w0.2: U2.2 167.335,52.035 167.975,52.675 167.975,52.875
  Top Layer w0.254: 167.975,52.875 v1(167.975,60.7)
  Bottom Layer w0.254: J1.24 160.28,60.7 v1(167.975,60.7)
GPIO13: D7.1 J1.34 | length 67.5
  Top Layer w0.5: J1.34 161.7,46.58 161.7,42.875 164.2,40.375 186.5,40.375 193.025,33.85 203.582,33.85 203.875,34.143 203.875,39.525 v1(210.175,45.825)
  Bottom Layer w0.5: D7.1@209.125,45.9 209.2,45.825 v1(210.175,45.825)
"GPIO14 (TXD)": J1.7 TX.1 | length 56.6
  Bottom Layer w0.254: J1.7 158.768,82.568 163.293,82.568 170.656,89.931 209.069,89.931 209.65,89.35 TX.1
"GPIO15 (RXD)": J1.9 RX.1 | length 54.1
  Bottom Layer w0.254: J1.9 158.768,80.028 161.353,80.028 170.877,89.552 204.698,89.552 205.485,88.765 RX.1
GPIO17: J1.12
"GPIO18 (PCM_CLK)": J1.11
GPIO22: B1.3 B1.4 C11.2 J1.16 R8.2 | length 84.7
  Top Layer w0.254: v1(187.475,45.475) 192.225,45.475 v1@205.2,58.45
  Bottom Layer w0.254: J1.16 180.18,71.12 182.127,69.173 182.127,64.405 182.121,64.399 182.121,50.768 187.414,45.475 v1(187.475,45.475) ; B1.3@205.075,53.125 B1.3 205.225,53.275 v1(205.225,58.4) 205.225,61.075 B1.4
  Bottom Layer w0.5: B1.3@205.075,53.125 205.075,51.22 R8.2@205.095,51.2 ; B1.4 205.475,61.425 205.475,62.532 205.768,62.825 C11.2@206.57,62.825
GPIO23: J1.15
GPIO24: J1.17
GPIO25: J1.21
GPIO26: J1.38
GPIO27: J1.14
NetB1_1: B1.1 B1.2 C11.1 R6.2 | length 12.8
  Bottom Layer w0.5: C11.1@208.255,62.825 209.032,62.825 209.325,62.532 209.325,61.475 B1.2 B1.1 209.755,53.145 R6.2@209.755,51.175 ; R6.2@209.78,51.225 R6.2@209.83,51.175
NetC1_2: C1.2 D1.2 U1.2 | length 27
  Top Layer w2: U1.2 166.146,91.654 166.146,90.579 171.875,84.85 D1.2 182.25,84.85 184.725,87.325 C1.2@188.575,87.325
NetC6_1: C6.1 U2.21 | length 1.5
  Top Layer w0.2: U2.21 169.385,49.89 C6.1@169.395,49.9
NetC7_1: C7.1 U2.24 | length 1.5
  Top Layer w0.2: U2.24 169.325,51.18 C7.1@169.395,51.25
NetC9_2: C9.2 C10.2 D2.2 D4.1 D6.1 R2.2 R10.2 | length 77.1
  Top Layer w0.254: R10.2@167.505,44.825 167.555,44.875 167.78,44.65 v1(180.65,44.65) ; v1(193.775,44.7) 196.725,44.7 201.75,49.725 v1(203.575,49.725)
  Top Layer w2: D4.1@191.35,73.95 C9.2@195.65,73.95
  Bottom Layer w0.254: v1(180.65,44.65) 180.675,44.675 193.75,44.675 v1(193.775,44.7)
  Bottom Layer w0.5: v1(199.9,71.725) 201.325,70.3 201.325,61.775 203.475,59.625 203.475,49.725 203.656,49.725 203.906,49.475 207.757,49.475 208.05,49.182 208.05,44.385 208.343,44.092 208.825,44.092 209.125,43.792 D6.1@209.125,43.662
NetC10_1: C10.1 R2.1 R3.1 U4.3 | length 6.2
  Top Layer w0.6: U4.3@197.494,77.88 197.499,77.875 197.499,76.751 198.375,75.875 198.375,75.235 C10.1 R3.1
NetD2_1: D2.1 L1.2 U4.1
NetD3_1: D3.1 D5.1 Q1.1 R5.2 U1.4 | length 93.8
  Top Layer w0.254: Q1.1 181.517,81.608 182.351,81.608 182.5,81.459 182.5,79.358 183.055,78.803 R5.2@183.055,77.983
  Top Layer w0.5: v1(179.75,81.55) 179.831,81.55 179.889,81.608 Q1.1@181.475,81.608
  Top Layer w2: U1.4 171.675,71.125 D3.1
  Bottom Layer w0.5: U1.4 169.025,73.775 179.743,73.775 ; v1(179.75,81.55) 179.775,81.525 179.775,73.807 179.743,73.775 ; D5.1@209.2,41.425 209.2,40.268 208.907,39.975 203.65,39.975 191.65,51.975 191.65,55.05 190.3,56.4 183.929,56.4 182.623,57.706 182.623,64.191 182.629,64.197 182.629,70.889 179.743,73.775
NetD5_2: D5.2 R7.1 | length 1.6
  Bottom Layer w0.5: R7.1 205.585,41.4 207.15,41.4 D5.2
NetD6_2: D6.2 R9.1 | length 1.6
  Bottom Layer w0.5: R9.1 205.585,43.637 207.15,43.637 D6.2@207.175,43.662
NetD7_2: D7.2 R12.1 | length 1.6
  Bottom Layer w0.5: R12.1 205.585,45.875 207.15,45.875 D7.2@207.175,45.9
NetD8_1: D8.1 D9.1 J2.A4 J2.A9 J2.B4 J2.B9 | length 68.2
  Top Layer w0.5: v1(197.4,86.95) 197.4,88.825 198.025,89.45 ; v1(210,63.525) 209.2,62.725 209.2,49.629 210.175,48.654 v1(210.175,48.225)
  Top Layer w0.7: 190.675,89.4 190.675,90.565 ; J2.B4 J2.A9 190.675,90.565 ; 191.325,89.45 191.325,89.915 190.675,90.565 ; J2.B9 J2.A4 194.925,89.45 194.975,89.4
  Top Layer w2: 191.325,89.45 194.925,89.45 197.653,89.45 198.025,89.45 199.425,90.85 199.425,91.775 200.375,92.725 D9.1
  Bottom Layer w0.5: v1(197.4,86.95) 197.4,76.125 v1(210,63.525) ; D8.1@209.15,48.225 209.15,48.157 209.35,47.957 209.907,47.957 v1(210.175,48.225)
NetD8_2: D8.2 R13.1 | length 1.6
  Bottom Layer w0.5: R13.1 205.593,48.038 207.188,48.038 D8.2@207.2,48.05
NetLi-Po_1: Li-Po.1 U3.B+ | length 5.1
  Top Layer w2: Li-Po.1 197.128,61.425 198.4,60.153 U3.B+
NetLi-Po_2: Li-Po.2 U3.B- | length 4.9
  Top Layer w2: U3.B- 191,60.178 192.247,61.425 Li-Po.2
NetQ1_3: Q1.3 R4.1 | length 1.8
  Top Layer w0.254: Q1.3 183.615,80.66 185.335,80.66 R4.1
NetR1_1: R1.1 R4.2 U4.4 | length 25.6
  Top Layer w0.254: R4.2 185.375,84.6 186.65,85.875 197.95,85.875 198.4,85.425 198.4,79.55 199.443,78.507 199.443,78.032 U4.4
  Top Layer w0.5: U4.4 199.65,78.025 200.15,78.025 200.25,78.125 200.87,78.125 R1.1
NetR11_2: R11.2 Sound.1 | length 3.6
  Top Layer w0.5: Sound.1 195,38.275 195.375,37.9 R11.2
ON/SLEEP: J6.3
PWM1/DIO11: J5.7
RESET: J5.5
"RSSI PWM/PWMODIO10": J5.6
RTS/DIO6: J6.6
USB_D+: J7.3 OBD.3 | length 56.4
  Top Layer w0.254: OBD.3 171.862,95.428 171.862,94.613 172.221,94.254 176.343,94.254 181.502,89.095 181.502,89.04 181.925,88.617 v1(181.925,88.575) ; v1(184.05,57.375) 184.071,57.354 184.071,52.229 185.65,50.65 186.526,50.65 187.304,51.428 187.304,52.079 J7.3
  Bottom Layer w0.254: v1(181.925,88.575) 181.925,88.427 182.146,88.206 182.146,88.199 184.071,86.274 184.071,57.396 v1(184.05,57.375)
USB_D-: J7.2 OBD.2 | length 57.6
  Top Layer w0.254: OBD.2 170.875,93.875 175.725,93.875 180.775,88.825 v1(180.85,88.825) ; v1(183.398,58.298) 183.398,52.227 185.865,49.76 J7.2
  Bottom Layer w0.254: v1(180.85,88.825) 180.85,88.75 181.273,88.327 181.273,88.305 181.655,87.923 181.677,87.923 183.398,86.202 v1(183.398,58.298)
Vref: J6.4
pads on no net: J2.A5 J2.A6 J2.A7 J2.A8 J2.B5 J2.B6 J2.B7 J2.B8 J5.8 U2.9 U2.10 U2.11 U2.12 U2.13

## Polygon pours and split planes (outlines as drawn)
GND on Top Layer "Top Layer-No Net" (solid, remove dead copper, pour order 0): 155.275,32.275 155.275,97.225 211.225,97.225 211.225,32.275
GND on Bottom Layer "Top Layer-No Net1" (solid, remove dead copper, pour order 1): 155.275,32.275 155.275,97.225 211.225,97.225 211.225,32.275

## Other copper
Top Layer:
  region net GND: 202.3,75.805 202.3,77.325 198.998,77.325 198.998,75.805
  region net NetC9_2: 200.5,71.18 200.5,74.455 194,74.455 194,71.18
  region net +V_Bat: 202.8,79.45 202.8,85.355 199.025,85.355 199.025,79.45
  region net NetD2_1: 197.9,79.48 197.9,85.405 193.925,85.405 193.925,79.48
  region net GND: 194,67.055 201.425,67.055 202.8,68.43 202.8,70.13 202.8,78.455 201.9,78.455 201.9,76.205 202.175,75.93 202.175,74.43 201.1,74.43 201.1,70.13 194,70.13
  region net NetC9_2: 194,72.805 194,77.475 196.025,77.475 197.875,75.625 197.875,72.805

## Silkscreen, mask and mechanical layers (free items; w line width, h text height)
Top Overlay:
  text "GND" at 189.375,54.575 h2
  text "D+" at 189.375,51.525 h2
  text "D-" at 189.375,48.25 h2
  text "5V" at 189.4,45.25 h2
Bottom Overlay:
  text "12V" at 164.525,96.7 h2 r90
  text "GND" at 178.375,96.7 h2 r90
  text "D+" at 172.625,94.05 h2 r90
  text "D-" at 169.72,94.03 h2 r90
  text "+" at 197.975,64.083 h5 r180
  text "-" at 187.856,63.958 h5 r180
Mechanical 1:
  the board outline again, w0.1

## Text inside footprints (layer, text, board x,y; h text height)
U1: Top Overlay "-OUT" at 174.55,82 h1 r270; Top Overlay "+OUT" at 165.55,82 h1 r270; Top Overlay "+IN" at 165.55,90 h1 r270; Top Overlay "-IN" at 174.55,90 h1 r270